# KiCad board coleco_original_main_only.kicad_pcb (continued)
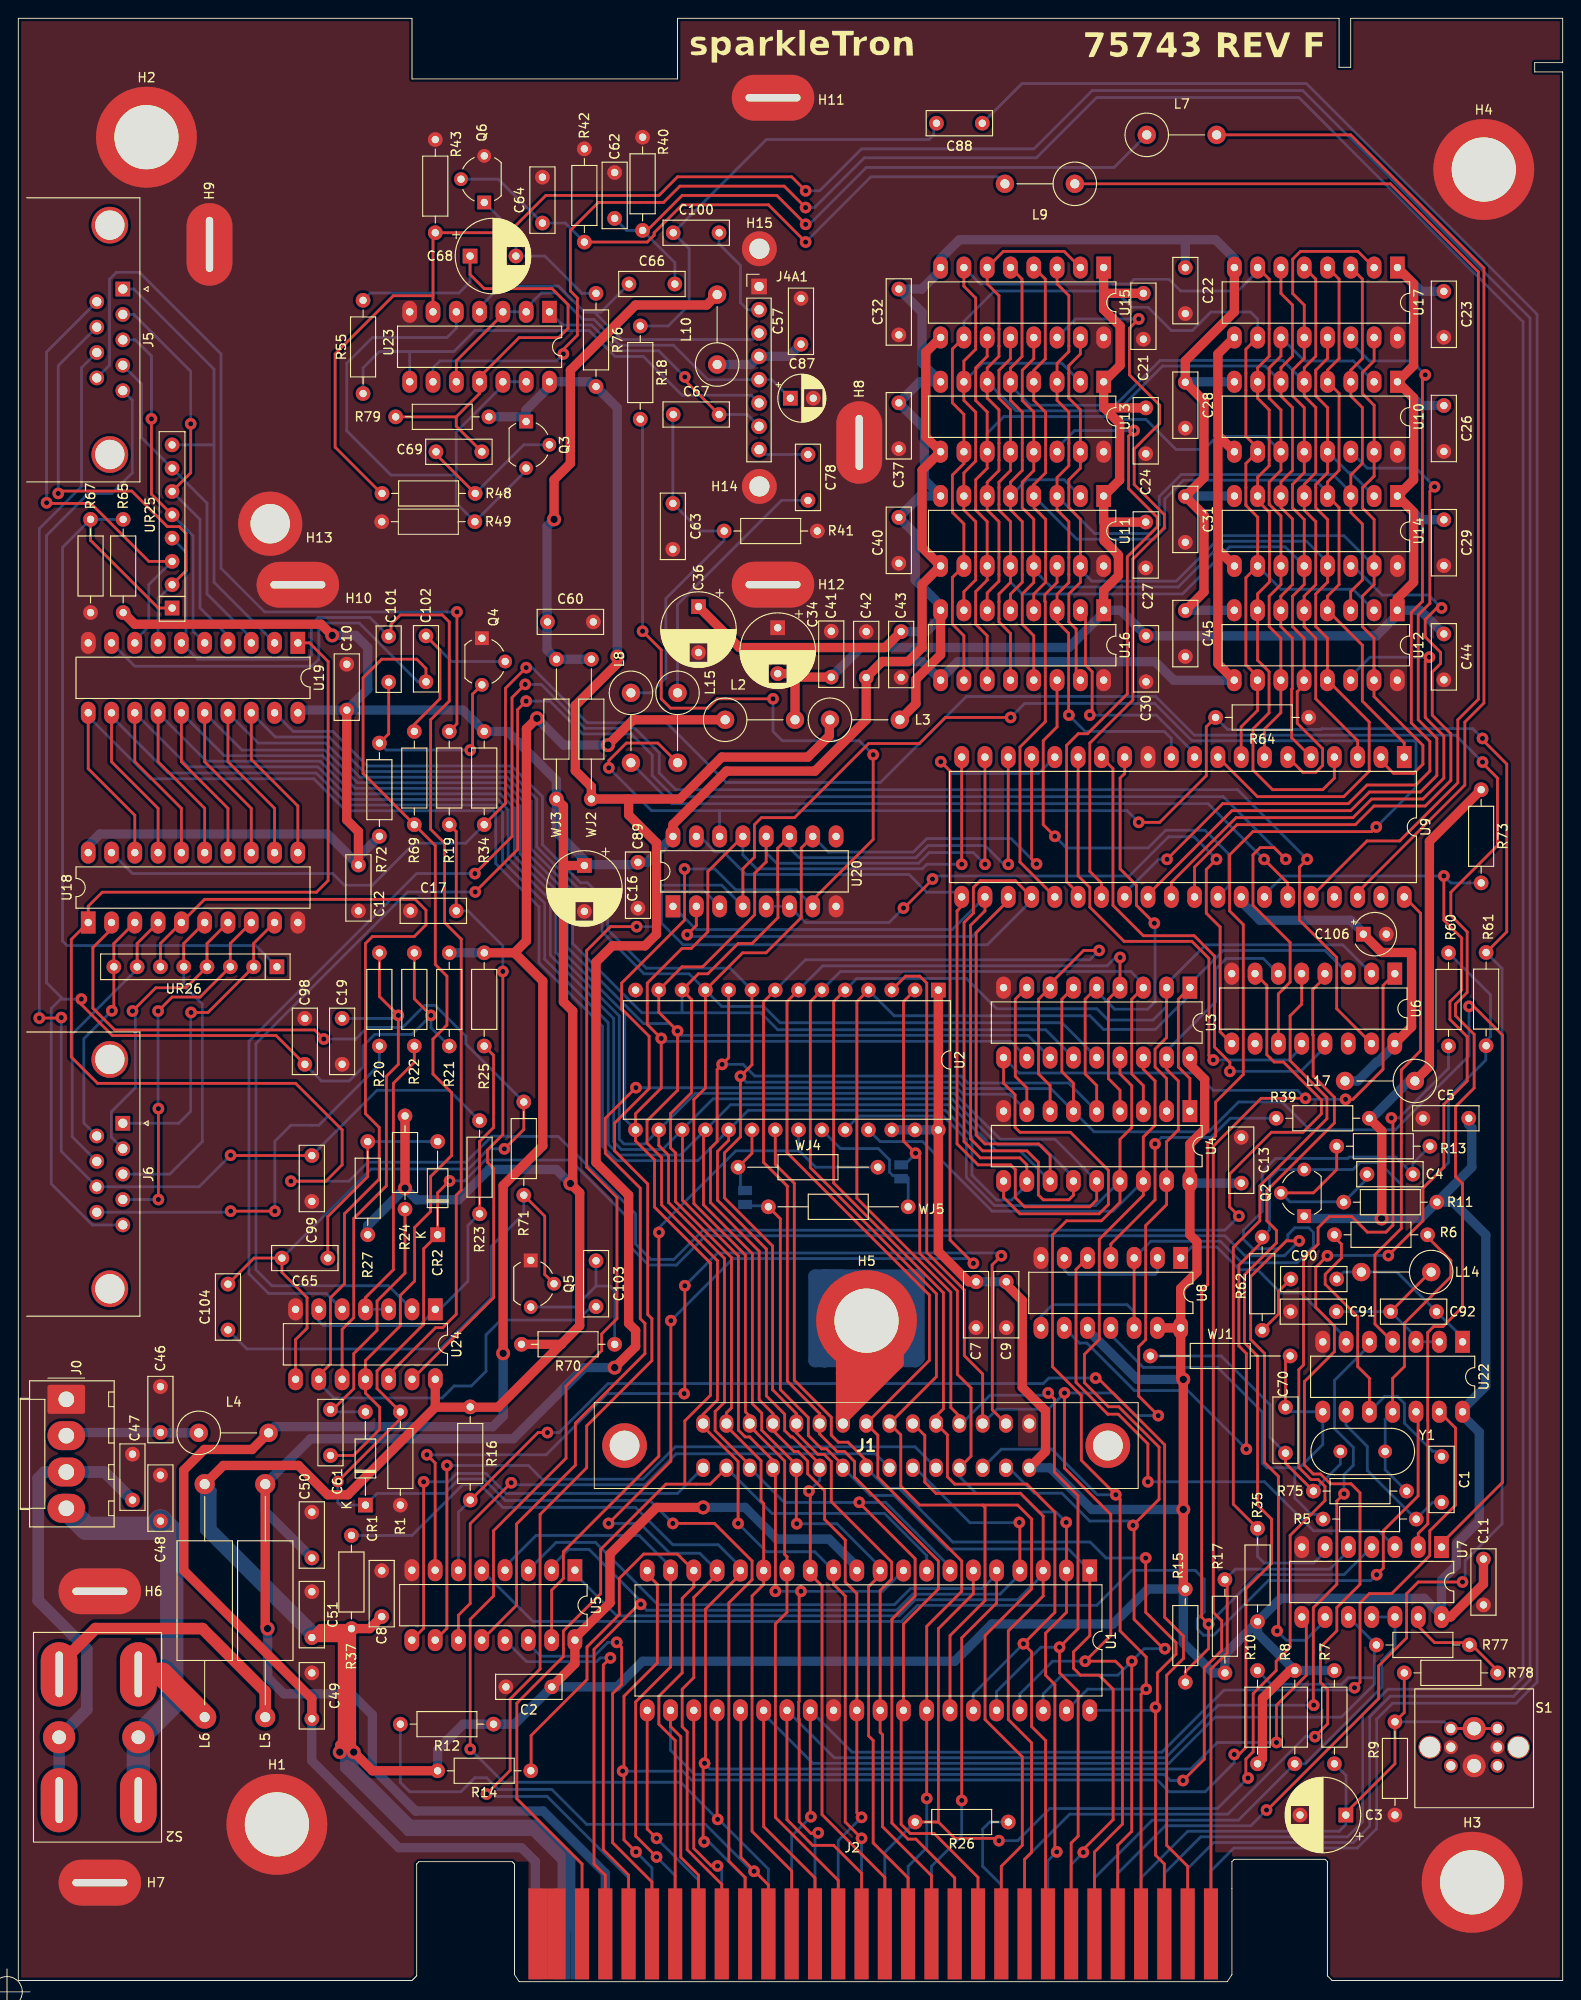
[diagram p0: board, top side]
## Routing (per net, layer and track width the routed paths; a pad name or vN(x,y) marks a point on that pad's centre or on a via; arc(x,y) is an arc through that point) (continued)
/cpu/A7: length 216.4
  Top w0.305: U2.3 96.76,109.6 98.3,109.6 99.06,108.84 99.06,79.49 103.16,75.39 103.16,68.23 105.16,66.23 105.16,60.83 ; v2(124.31,61.69) 122.17,63.83 122.17,69.21 122.94,69.98 122.94,82.42 125.21,84.7 U4.17 125.21,91.56 126.49,92.84 126.49,98.17 125.21,99.45 U3.17 ; v2(114.08,64.17) 114.08,55.97 119.13,50.93 119.13,37.72 v2(116.33,34.92) 119.63,34.92 120.4,34.16 120.4,17.17 117.35,14.12 J2.25
  Bottom w0.305: U1.37 109.22,31.36 112.78,34.92 v2(116.33,34.92) ; U3.17 125.21,101.46 130.56,106.81 130.56,110.36 131.72,111.53 135.74,111.53 137.4,109.87 ; v2(124.31,61.69) 121.89,61.69 119.41,64.17 v2(114.08,64.17) 112.3,62.39 106.71,62.39 105.16,60.83
/cpu/A8: length 173.8
  Top w0.305: U3.16 122.67,99.45 123.95,98.17 123.95,93.34 122.67,92.06 U4.16 122.67,85.71 117.87,80.92 117.87,69.99 116.26,68.38 116.26,65.28 118.88,62.66 119.99,62.66 124.39,58.26 124.39,52.58 v2(121.55,49.73) 121.67,49.61 121.67,39.5 124.87,36.29 v2(125.02,36.29) ; J2.26 119.89,14.86 121.41,16.38 v2(121.41,34.92)
  Bottom w0.305: U2.25 93.98,91.57 98.61,91.57 106.19,83.98 119.39,83.98 U4.16 ; v2(125.02,36.29) 122.78,36.29 v2(121.41,34.92) 119.89,33.4 113.79,33.4 111.75,31.36 U1.38 ; v2(121.55,49.73) 121.08,50.2 116.84,50.2 113.79,53.25 110.78,53.25 108.02,56.01 J1.28
/cpu/A9: length 171.6
  Top w0.305: U3.15 120.13,98.94 121.41,97.66 121.41,93.09 120.13,91.81 U4.15 120.13,84.95 118.11,82.93 114.3,82.93 112.78,81.41 112.78,67.02 115.91,63.88 115.91,56.83 v2(119.67,53.07) 120.14,52.6 120.14,38.23 122.99,35.38 v2(122.99,31.88) 122.43,31.32 J2.27
  Bottom w0.305: U1.39 116.61,31.88 v2(122.99,31.88) ; J1.26 107.19,58.04 112.69,58.04 117.66,53.07 v2(119.67,53.07) ; U2.24 91.68,94.36 100.84,94.36 103.38,91.82 103.38,87.66 106.45,84.59 117.46,84.59 U4.15
/cpu/A10: length 127.1
  Top w0.305: U2.21 82.54,89.09 84.62,87.02 84.62,65.55 88.65,61.52 88.65,59.56 89.41,58.8 90.47,58.8 92.46,56.81 J1.16 ; J2.28 124.97,12.83 124,13.79 v2(124,29.91) 124.21,30.11 124.21,33.65 126.24,35.69 126.24,36.96 122.94,40.26 v2(122.94,46.18)
  Bottom w0.305: J1.16 94.71,53.75 96.05,53.75 101.89,47.91 116.87,47.91 118.61,46.18 v2(122.94,46.18) ; U1.40 123.67,29.57 v2(124,29.91)
/cpu/A11: length 112
  Top w0.305: U1.1 116.84,37.71 115.06,35.94 115.06,34.16 115.82,33.4 117.86,33.4 119.38,31.88 119.38,17.65 116.13,14.4 v2(116.13,14.09) ; J1.14 89.92,56.29 88.13,58.07 87.6,58.07 86.14,59.52 86.14,61.48 83.09,64.53 83.09,83.15 WJ5.1
  Bottom w0.305: J2.37 114.81,12.77 v2(116.13,14.09) ; WJ5.1 81.68,84.57 78.74,84.57 ; J1.14 92.93,52.99 95.5,52.99 101.34,47.15 114.5,47.15 U1.1
/cpu/A12: length 119.1
  Top w0.305: J1.24 103.89,57.28 103.89,64.71 102.4,66.2 102.4,75.29 98.3,79.39 98.3,89.84 v2(97.84,90.3) 96.52,91.62 96.52,106.82 U2.2 ; v2(114.26,50.06) 114.3,50.03 U1.2 114.3,40.25 112.01,37.97 112.01,33.4 113.03,32.38 113.03,14.35 v2(113.23,14.15)
  Bottom w0.305: J2.38 112.27,13.18 v2(113.23,14.15) ; v2(114.26,50.06) 113.14,51.18 111.32,51.18 109.25,53.25 104.43,53.25 102.62,55.06 J1.24 ; 96.77,89.17 97.84,90.24 v2(97.84,90.3)
/cpu/A13: length 125.5
  Top w0.305: 97.54,60.83 98.84,59.52 98.84,54.44 100.08,53.21 109.29,53.21 111.75,50.75 U1.3 111.75,42.03 107.95,38.23 107.95,28.57 110.49,26.03 110.49,14.1 109.73,13.33 J2.22
  Bottom w0.305: U5.1 60.69,44.45 65.26,39.87 96.03,39.87 97.79,41.63 108.97,41.63 111.75,44.41 U1.3
/cpu/A14: length 115.2
  Top w0.305: U1.4 109.22,49.98 v2(109.15,50.05) ; J2.4 64.01,11.59 62.77,12.83 62.77,36.23 67.67,41.13 v2(67.87,41.13)
  Bottom w0.305: J1.20 97.79,56.01 103.77,50.03 109.12,50.03 v2(109.15,50.05) ; U5.2 58.15,45.25 60.02,47.12 62.23,47.12 67.87,41.48 v2(67.87,41.13) 68.52,40.48 95.78,40.48 97.54,42.24 107.04,42.24 109.22,44.41 U1.4
/cpu/A15: length 99.5
  Top w0.305: v2(102.87,19.75) 102.87,37.46 106.68,41.27 U1.5
  Bottom w0.305: v2(102.87,19.75) 102.87,15.88 99.57,12.57 J2.43 ; U5.3 58.64,47.88 62.94,47.88 69.73,41.09 95.53,41.09 97.29,42.85 105.11,42.85 106.68,44.41 U1.5
/cpu/D0: length 302.6
  Top w0.305: U9.17 110.49,122.37 v2(111.03,121.83) ; U19.18 25.4,133.22 30.48,128.14 U18.11 ; J2.14 89.41,11.05 82.55,17.91 82.55,38.99 83.81,40.25 U1.14 83.81,46.32 83.57,46.56 83.57,56.74 80.46,59.85 80.46,59.88 79.76,60.58 79.76,61.64 79.28,62.11 79.28,79.19 73.66,84.81 73.66,96.14 74.92,97.4 U2.11 78.98,112.14 81.53,112.14 85.37,115.98 85.37,123.57 U20.10
  Bottom w0.305: v2(111.03,121.83) 108.27,124.59 99.06,124.59 97.6,123.12 88.33,123.12 U20.10 ; U19.18 28.04,135.66 33.88,135.66 37.65,131.9 53.55,131.9 56.54,128.91 56.54,123.69 61.06,119.17 61.81,119.17 63.65,117.32 63.65,114.43 68.23,109.85 73.15,109.85 U2.11 76.7,106.3 81.28,106.3 83.06,104.52 113.8,104.52 U3.14
/cpu/D1: length 307
  Top w0.305: v2(107.95,121.79) 107.94,121.8 U9.18 ; U20.11 82.8,123.54 82.8,118.49 82.83,118.46 82.83,115.98 80.01,113.16 78.49,113.16 75.19,109.86 74.15,109.86 U2.12 73.41,107.06 73.41,96.9 71.12,94.61 71.12,90.87 71.66,90.33 71.66,85.03 77.76,78.93 77.76,62.55 77.22,62 77.22,60.55 80.99,56.78 80.99,52.41 81.28,52.12 U1.15 81.28,43.31 80.01,42.04 80.01,16.38 84.33,12.06 J2.12 ; U18.12 27.94,127.89 22.86,132.97 U19.17
  Bottom w0.305: U19.17 26.16,135 33.53,135 37.24,131.29 52.83,131.29 53.3,131.29 55.93,128.66 55.93,123.44 60.45,118.91 60.45,113.15 68,105.6 72.46,105.6 ; 72.46,105.6 80.96,105.6 82.8,103.76 112.02,103.76 U3.13 ; 72.46,105.6 72.38,105.68 U2.12 ; v2(107.95,121.79) 107.44,121.79 105.41,123.82 99.19,123.82 97.88,122.51 85.13,122.51 84.09,123.56 U20.11
/cpu/D2: length 312.2
  Top w0.305: v2(91.95,15.62) 90.17,17.4 90.17,42.03 88.9,43.31 U1.12 ; U19.16 20.32,132.97 25.4,127.89 U18.13 ; U20.12 81.55,122.06 80.29,120.8 80.29,116.29 74.62,110.62 72.38,110.62 U2.13 69.84,105.66 v2(71.88,103.62) 71.88,97.15 68.56,93.83 68.56,91.4 70.14,89.82 70.14,84.67 76.23,78.58 76.23,63.41 74.68,61.85 74.68,60.83 ; v2(105.41,121.79) 105.41,121.8 U9.19 ; v2(78.49,49.94) 78.49,56.69 74.68,60.5
  Bottom w0.305: v2(78.49,49.94) 81.57,46.86 86.84,46.86 U1.12 ; U20.12 81.55,123.05 82.69,121.9 98.16,121.9 99.31,123.06 104.14,123.06 v2(105.41,121.79) ; J2.46 v2(91.95,15.62) ; U19.16 24.38,134.24 33.43,134.24 36.99,130.68 53.04,130.68 55.32,128.41 55.32,123.18 59.84,118.66 59.84,112.75 68.16,104.44 71.07,104.44 v2(71.88,103.62) 72.35,103.15 110.09,103.15 U3.12
/cpu/D3: length 353.4
  Top w0.305: J2.3 61.47,12.83 54.36,19.94 54.36,30.35 59.44,35.43 59.44,36.3 59.43,36.31 59.43,38.22 63.5,42.29 63.5,47.12 70.61,54.23 75.44,54.23 J1.4 ; v2(102.87,121.79) 102.87,121.8 U9.20 ; U19.15 17.78,132.97 22.86,127.89 U18.14 ; U20.13 75.19,121 75.19,114.43 73.38,112.62 72.37,112.62 68.58,108.84 68.58,104.33 v2(70.1,102.81) 70.1,97.41 67.3,94.6 U2.15 67.3,91.64 69.38,89.57 69.38,84.42 75.47,78.32 75.47,63.91 72.68,61.12 72.68,54.26 72.68,54.26
  Bottom w0.305: v2(70.1,102.81) 70.43,102.49 108.21,102.49 U3.11 ; U2.15 66.14,94 66.14,105.51 59.23,112.42 59.23,118.41 54.71,122.93 54.71,128.15 52.79,130.07 36.73,130.07 33.18,133.63 22.45,133.63 U19.15 ; U20.13 79.01,122.79 80.51,121.3 98.56,121.3 99.06,121.79 v2(102.87,121.79) ; J1.4 82.19,51.03 94.45,51.03 99.06,46.43 U1.8
/cpu/D4: length 363.4
  Top w0.305: U19.14 15.24,132.97 20.32,127.89 U18.15 ; v2(91.69,52.25) 91.69,52.2 97.79,46.1 97.79,42.04 95.26,39.5 95.26,17.29 97.02,15.53 97.88,15.53 102.11,11.3 J2.19 ; U9.21 102.87,117.22 102.36,116.71 102.36,91.31 104.65,89.03 108.2,89.03 108.71,88.52 108.71,85.47 109.73,84.45 116.84,84.45 117.59,85.21 U4.14 ; U2.16 69.84,91.14 70.9,90.08 70.9,84.93 77,78.83 77,63.15 75.98,62.14 75.98,60.06 79.76,56.29 J1.6
  Bottom w0.305: J1.6 83.53,52.23 91.68,52.23 v2(91.69,52.25) 91.71,52.23 94.58,52.23 101.59,45.21 101.59,44.81 ; U19.14 20.52,133.02 32.92,133.02 36.48,129.46 52.54,129.46 54.1,127.9 54.1,122.68 58.62,118.16 58.62,112.16 65.53,105.26 65.53,91.82 66.04,91.31 68.31,91.31 U2.16 73.83,96.83 102.07,96.83 107.08,91.82 113.03,91.82 U4.14 ; U20.15 74.33,124.83 75.21,123.94 75.21,123.91 75.95,123.17 76.86,123.17 79.34,120.69 97.12,120.69 99.06,118.74 102.36,118.74 U9.21
/cpu/D5: length 349.6
  Top w0.305: U2.17 72.42,92.8 72.42,85.18 78.52,79.09 78.52,77.88 ; U19.13 12.7,132.97 17.78,127.89 U18.16 ; U4.13 115.05,85.71 114.55,85.22 111.76,85.22 111.23,85.75 111.23,89.3 109.98,90.55 105.16,90.55 103.84,91.87 103.84,115.14 105.41,116.71 U9.22 ; v2(82.55,42.54) 82.55,55.75 J1.8 82.3,56.81 79.73,59.38 79.26,59.38 78.52,60.11 78.52,77.83 ; 86.69,16.23 86.6,16.14 86.45,16.14 85.15,17.44 85.15,28.6 85.1,28.65 85.1,30.49 85.15,30.54 85.15,42.35 v2(85.34,42.54)
  Bottom w0.305: 96.52,44.81 94.25,42.54 v2(85.34,42.54) v2(82.55,42.54) ; v2(87.22,16.23) 86.87,15.88 J2.48 ; U9.22 101.85,114.68 73.91,114.68 U20.1 ; U4.13 115.05,87.66 111.52,91.19 106.84,91.19 101.82,96.22 75.76,96.22 U2.17 70.24,90.7 65.76,90.7 64.92,91.54 64.92,104.98 58.01,111.89 58.01,117.88 53.42,122.48 53.42,127.73 52.29,128.85 36.23,128.85 32.67,132.41 18.59,132.41 U19.13
/cpu/D6: length 340.5
  Top w0.305: U1.10 93.98,44.32 92.72,43.06 92.72,26.79 93.22,26.29 93.22,15.11 97.03,11.3 J2.17 ; U20.2 73.93,115.11 v2(72.94,114.11) ; U2.18 74.71,92.63 74.71,84.67 80.04,79.34 80.04,62.99 81.07,61.96 81.07,60.11 84.84,56.34 J1.10 84.84,49.96 v2(84.89,49.91) ; U9.23 107.94,117.84 104.45,114.34 104.45,92.28 105.41,91.31 111.25,91.31 112.51,90.05 U4.12 ; U18.17 15.24,127.89 10.16,132.97 U19.12
  Bottom w0.305: v2(84.89,49.91) 89.28,49.91 93.98,45.21 U1.10 ; v2(72.94,114.11) 73.13,113.92 104.03,113.92 107.94,117.84 U9.23 ; U19.12 10.16,137.9 16.33,131.73 32.48,131.73 35.97,128.24 52.04,128.24 52.81,127.47 52.81,122.1 52.85,122.1 57.39,117.55 57.39,111.46 64.31,104.54 64.31,91.29 65.51,90.09 72.17,90.09 U2.18 77.66,95.58 101.6,95.58 106.59,90.58 109.19,90.58 U4.12
/cpu/D7: length 360.6
  Top w0.305: J1.12 87.38,56.42 84.42,59.38 84.26,59.38 83.57,60.07 83.57,61.85 82.91,62.51 81.57,63.85 81.57,79.85 76.23,85.18 76.23,90.48 77.46,91.71 U2.19 ; U19.11 7.62,132.21 12.7,127.13 U18.18 ; U9.24 108.71,120.01 104.9,120.01 104.14,119.25 104.14,116.46 103.12,115.44 103.12,91.57 104.9,89.79 109.22,89.79 109.97,89.04 U4.11 ; v2(86.2,53.47) 86.36,53.31 U1.13 86.36,44.41 87.64,43.13 87.64,18.21 94.49,11.36 J2.16
  Bottom w0.305: U4.11 109.97,86.86 108.31,85.2 106.7,85.2 103.99,87.91 103.99,92.07 101.09,94.97 79.59,94.97 U2.19 74.1,89.48 65.26,89.48 63.7,91.04 63.7,104.13 56.78,111.06 56.78,117.15 52.06,121.87 52.06,127.36 51.8,127.62 35.71,127.62 32.22,131.11 14.41,131.11 7.62,137.9 U19.11 ; J1.12 87.38,54.64 v2(86.2,53.47) ; U20.3 74.81,118.86 70.13,118.86 70.13,115.38 72.48,113.02 105.67,113.02 110.49,117.84 U9.24
/cpu/~{BUSAK}: length 26
  Top w0.305: U1.23 73.66,14.52 75.56,12.62 v2(76.24,12.62)
  Bottom w0.305: J2.52 76.71,12.15 v2(76.24,12.62)
/cpu/~{BUSRQ}: length 76.1
  Top w0.305: 80.45,11.87 81.79,10.54 J2.11 ; 80.45,11.87 78.79,13.54 78.79,29.52 78.73,29.57 ; 80.45,11.87 80.3,12.03 v2(80.23,12.03)
  Bottom w0.305: v2(80.23,12.03) 80.05,12.03 74.93,17.14 61.98,17.14 58.17,20.95 52.32,20.95 51.05,22.22 49.78,22.22 48.26,20.7 42.67,20.7 41.66,21.72 R12.2
/cpu/~{HALT}: length 76.8
  Top w0.305: J2.7 71.63,26.29 69.85,28.07 69.85,31.11 72.39,33.65 72.39,41.78 73.66,43.05 U1.18 71.86,46.61 68.2,46.61 65.53,43.95 65.53,40 62.01,36.48 62.01,32.93 55.91,26.83 55.91,23.02 R14.1
/cpu/~{IORQ}: length 207.6
  Top w0.305: 68.58,44.81 68.58,44.41 69.68,43.31 69.68,34.75 66.04,31.11 66.04,23.09 v2(65.9,22.95) 66.04,22.8 66.04,15.45 v2(67.35,14.14) ; U6.4 142.48,109.47 141.15,108.14 141.15,103.22 141.2,103.17 141.2,98.71 143.51,96.39 143.51,93.6 136.14,86.23 136.14,82.93 137.19,81.88 137.19,80.52 133.71,77.04 133.71,69.62 135.13,68.2 135.13,51.94 136.65,50.42 136.65,45.59 133.86,42.8 133.86,25.53 133.1,24.76 v2(132.59,24.76)
  Bottom w0.305: v2(67.35,14.14) 69.09,12.41 J2.55 ; v2(65.9,22.95) 72.43,22.95 73.41,21.97 124.21,21.97 125.48,20.7 129.42,20.7 132.59,23.87 v2(132.59,24.76)
/cpu/~{MREQ}: length 64.6
  Top w0.305: v2(69.6,13.59) 67.31,15.88 67.31,30.48 71.12,34.29 U1.19
  Bottom w0.305: v2(69.6,13.59) 71.63,11.56 J2.54 ; U1.19 71.12,45.21 67.69,48.64 56.47,48.64 53.07,45.25 U5.4
/cpu/~{NMI}: length 187.7
  Top w0.305: v2(64.36,49.94) 71.15,56.74 v2(71.15,72.04) ; v2(104.14,78.3) 101.6,80.84 101.6,131.95 v2(100.58,132.97) ; U1.17 76.2,44.41 73.66,41.88 73.66,33.15 72.39,31.88 72.39,27.79 72.93,27.24 72.93,14.38 76.71,10.61 J2.9
  Bottom w0.305: v2(100.58,132.97) 101.85,131.7 111.25,131.7 U9.16 ; v2(64.36,49.94) 67.78,49.94 71.03,46.7 74.31,46.7 U1.17 ; v2(104.14,78.3) 103.62,78.82 77.93,78.82 v2(71.15,72.04)
/cpu/~{RD}: length 26.7
  Top w0.305: v2(69.6,15.62) 68.58,16.64 68.58,29.57
  Bottom w0.305: v2(69.6,15.62) 74.17,11.05 J2.53
/cpu/~{WR}: length 264.6
  Top w0.305: v2(127,21.92) 129.32,24.24 129.32,34.2 131.22,36.09 131.22,39.34 130.3,40.26 130.3,91.06 135.53,96.28 v2(140.35,96.28) ; U3.10 107.43,97.93 108.69,96.67 108.69,93.11 109.22,92.58 114.72,92.58 118.87,88.43 118.87,84.71 117.86,83.69 109.22,83.69 107.43,85.48 U4.10 ; U1.22 71.12,27.82 72.24,26.7 72.24,13.56 74.17,11.62 J2.8 ; U6.1 148.82,108.59 148.82,99.46 145.52,96.17 v2(144.73,96.17)
  Bottom w0.305: v2(127,21.92) 125.63,21.92 124.97,22.58 73.76,22.58 71.12,25.22 U1.22 ; v2(144.73,96.17) 140.46,96.17 v2(140.35,96.28) 139.48,97.15 130.3,97.15 128.42,99.03 109.12,99.03 U3.10
/decoder_logic/AUX_DECODE_1: length 148.3
  Top w0.305: v2(117.47,65.79) 117.73,65.79 125,58.51 125,39.72 127.05,37.67 127.05,35.23 125.22,33.4 125.22,14.86 127.51,12.57 J2.29 ; v2(57.69,59.85) 56.68,59.85 49.28,52.45
  Bottom w0.305: U5.6 47.99,51.17 49.28,52.45 ; v2(57.69,59.85) 58.96,59.85 64.3,65.18 111.77,65.18 112.38,65.79 v2(117.47,65.79)
/decoder_logic/~{CS_h2000}: length 45.4
  Top w0.305: v2(65.25,36.98) 65.79,36.45 65.79,32.38 64.8,31.4 64.8,15.15 69.09,10.86 J2.6
  Bottom w0.305: U5.14 55.61,36.83 56.95,35.48 62.79,35.48 64.29,36.98 v2(65.25,36.98)
/decoder_logic/~{CS_h4000}: length 44.2
  Top w0.305: J2.5 66.55,11.62 63.79,14.38 63.79,34.52 v2(64.56,35.29)
  Bottom w0.305: v2(64.56,35.29) 63.46,35.29 63.04,34.87 55.42,34.87 U5.13
/decoder_logic/~{CS_h8000}: length 62.9
  Top w0.305: U5.11 47.99,39.94 49.27,41.22 49.27,49.91 v2(53.74,54.38)
  Bottom w0.305: v2(53.74,54.38) 53.96,54.16 68.36,54.16 71.73,57.53 93.47,57.53 J1.18
/decoder_logic/~{CS_hA000}: length 75.9
  Top w0.305: v2(46.74,56.26) 46.73,56.26 46.73,38.51 U5.10
  Bottom w0.305: v2(46.74,56.26) 55.63,56.26 57.12,54.77 68.11,54.77 71.63,58.29 97.79,58.29 J1.22
/decoder_logic/~{CS_hC000}: length 50.7
  Top w0.305: v2(44.2,54.48) 44.19,54.48 44.19,38.51 U5.9
  Bottom w0.305: v2(44.2,54.48) 46.89,54.48 47.81,55.4 51,55.4 53.19,53.21 71.88,53.21 J1.2
/decoder_logic/~{CS_hE000}: length 111
  Top w0.305: v2(44.55,57.43) 45.45,56.53 U5.7 ; v2(72.68,75.85) 72.68,64.17 v2(72.6,64.09) ; 107.7,60.83 106.21,62.32 106.21,70.75 106.18,70.77 106.18,78.12 v2(107.19,79.12)
  Bottom w0.305: v2(72.68,75.85) 76.25,79.43 106.88,79.43 v2(107.19,79.12) ; v2(44.55,57.43) 57.56,57.43 64.22,64.09 v2(72.6,64.09)
/decoder_logic/~{CSR}: length 54.1
  Top w0.305: v2(130.3,100.46) 129.83,100.93 129.83,111.53 127.97,113.4 120.57,113.4 116.84,117.13 116.84,119.25 115.56,120.53 U9.15
  Bottom w0.305: v2(130.3,100.46) 138.55,100.46 139.94,101.85 139.94,102.25
/decoder_logic/~{CSW}: length 55.2
  Top w0.305: 118.11,133.48 119.36,132.22 119.36,117.32 122.67,114 128.22,114 130.44,111.79 130.44,101.87 132.11,100.19 v2(132.11,99.22)
  Bottom w0.305: U6.13 142.48,101.85 139.85,99.22 v2(132.11,99.22)
/decoder_logic/~{RAM_CS}: length 129
  Top w0.305: U4.8 109.97,97.42 108.71,98.68 108.71,107.09 U3.8 ; v2(67.34,97.44) 64.01,94.11 64.01,90.3 67.82,86.49 67.82,72.26 68.33,71.75 68.33,68.45 60.74,60.87 60.74,56.29 54.33,49.88 54.33,41.02 U5.12
  Bottom w0.305: v2(67.34,97.44) 67.35,97.44 102.32,97.44 103.03,96.73 108.12,96.73 U4.8
/decoder_logic/~{ROM_ENABLE}: length 82.4
  Top w0.305: v2(69.85,81.66) 69.85,57.28 59.43,46.86 59.43,43.95 58.15,42.67 U5.15
  Bottom w0.305: v2(69.85,81.66) 69.85,82.17 78.23,90.55 85.08,90.55 U2.22 85.08,90.63 86.94,88.77 WJ4.2
/decoder_logic/~{SND_ENABLE}: length 76.5
  Top w0.305: U6.9 131.05,103.52 131.05,114.95 129.54,116.46 129.54,121.22 v2(130.66,122.33) ; v2(99.68,120.19) 99.68,120.13 96.57,117.02 v2(96.52,117.02)
  Bottom w0.305: v2(96.52,117.02) 94.94,115.44 85.85,115.44 U20.6 U20.5 ; v2(99.68,120.19) 100.02,120.52 121.16,120.52 125.43,124.79 128.2,124.79 v2(130.66,122.33)
/io_ports/EXT_SOUND: length 279.7
  Bottom w0.305: J2.31 130.05,12.06 132.54,14.56 146.01,14.56 148.12,16.67 148.12,28.61 149.86,30.35 163.32,30.35 165.61,32.64 165.61,181.74 140.46,206.88 109.43,206.88 C88.1
/io_ports/EXT_VIDEO: length 361.9
  Top w0.305: v2(85.85,193.37) 83.51,195.71 72.14,195.71 70.36,193.93 63.25,193.93 60.2,190.88 60.2,184.28 60.96,183.51 60.96,179.45 59.44,177.93 v2(59.44,177.42)
  Bottom w0.305: U23.9 45.22,175.9 45.97,176.66 58.67,176.66 v2(59.44,177.42) ; v2(85.85,193.37) 86.82,193.37 92.25,198.81 111.03,198.81 117.59,205.36 139.64,205.36 164.08,180.92 164.08,33.15 162.81,31.88 149.35,31.88 146.59,29.12 146.59,17.43 144.94,15.78 128.94,15.78 124.97,11.81 J2.33
/io_ports/EXT_VIDEO_SEL: length 385.1
  Top w0.305: 45.22,183.76 40.89,183.76 34.54,177.42 34.54,167.26 39.62,162.18 ; 45.22,183.76 U23.6 ; 45.22,183.76 45.22,190.38 R43.2 53.45,190.63 57.52,194.69 69.85,194.69 71.88,196.72 84.33,196.72 v2(85.85,195.2)
  Bottom w0.305: J2.32 127.51,12.32 130.36,15.17 145.57,15.17 147.35,16.95 147.35,28.86 149.61,31.11 163.07,31.11 164.85,32.89 164.85,181.34 140.07,206.12 117.09,206.12 110.74,199.77 91.95,199.77 87.38,195.2 v2(85.85,195.2)
/io_ports/SND_OUT: length 235.9
  Top w0.305: v2(68.07,147.19) 70.1,145.16 70.1,139.83 71.12,138.81 75.18,138.81 76.2,139.83 v2(82.3,139.83) ; U20.7 86.63,117.91 93.22,124.5 v2(93.22,133.73) ; v2(72.64,121.28) 72.65,121.28 72.65,115.7 65.79,108.84 65.79,106.04 68.78,103.05 68.78,97.34 65.02,93.58 65.02,90.55 68.63,86.94 68.63,72.72 69.09,72.26 69.09,67.69 61.98,60.58 61.98,56.01 56.89,50.92 56.89,34.08 53.63,30.82 53.63,23.02 v2(51.05,20.45)
  Bottom w0.305: v2(68.07,147.19) 68.07,170.05 R18.2 ; v2(72.64,121.28) 75.95,121.28 78.23,119 84.84,119 U20.7 ; v2(82.3,139.83) 82.3,136.27 83.31,135.25 91.69,135.25 v2(93.22,133.73) ; J2.56 66.55,11.3 57.66,20.19 52.07,20.19 51.82,20.45 v2(51.05,20.45)
/io_ports/~{VDP_RESET}: length 186.2
  Top w0.305: v2(149.4,79.15) 149.4,79.16 153.16,82.93 153.16,86.49 155.45,88.77 155.45,95.63 157.99,98.17 157.99,103 156.11,104.88 156.11,106.81 157.38,108.08 157.38,113.77 155.45,115.7 v2(155.45,120.52) ; v2(142.75,79.12) 141.48,77.85 141.48,73.49 143.51,71.46 143.51,68.67 140.24,65.4 140.24,56.29 141.2,55.33 142,55.33 143.07,54.26 145.32,54.26 146.3,53.28 146.3,43.31 143.78,40.78 143.78,38.24 141.99,36.45 141.99,32.62 142.78,31.83 142.78,28.1 v2(141.38,26.7)
  Bottom w0.305: U9.34 135.88,118.49 137.92,120.52 v2(155.45,120.52) 156.21,119.76 R73.2 ; v2(141.38,26.7) 140.34,26.7 131.9,18.26 114.66,18.26 109.73,13.33 J2.39 ; v2(149.4,79.15) 149.39,79.15 142.78,79.15 v2(142.75,79.12)
/psu/+5NF: length 9.2
  Top w2.54: L6.1 15.65,33.5 S2.3
/psu/+12NF: length 29.8
  Top w1.27: L5.1 26.92,31.62 20.07,38.48 8.41,38.48 4.45,34.51
/rf_mod/B-Y: length 78.6
  Top w0.305: U9.35 138.43,119.75 v2(135.85,122.33)
  Bottom w0.305: L8.2 71.26,128.4 129.74,128.4 135.81,122.33 v2(135.85,122.33)
/rf_mod/R-Y: length 109.4
  Top w0.305: L7.2 145.29,201.29 159.82,186.77 159.82,139.37 157.73,137.29 157.73,130.43 146.05,118.74 146.05,118.24
/rf_mod/sub_rf_mod/2: length 10.9
  Bottom w0.305: C100.2 76.41,189.4 78.74,187.07 78.74,183.01 79.52,182.23 J4A1.2
/rf_mod/sub_rf_mod/3: length 40.3
  Bottom w0.305: C66.1 63.54,181.99 62.23,181.99 ; 62.23,181.99 62.81,181.99 65.82,178.98 80.06,178.98 J4A1.3 ; 62.23,181.99 61.72,181.99 58.89,184.82 52.61,184.82 50.3,182.5 50.3,182.01
/rf_mod/sub_rf_mod/5: length 46.9
  Top w0.305: U23.10 47.76,176.66 52.84,181.74 U23.3
  Bottom w0.305: U23.3 55.38,182.01 55.38,182.41 57.03,184.06 58.68,184.06 61.56,181.18 62.76,181.18 65.57,178.37 71.44,178.37 75.2,174.61 J4A1.5 82.17,174.61 C87.1
/rf_mod/sub_rf_mod/6: length 54.2
  Bottom w0.305: 42.67,177.67 39.37,177.67 37.59,175.89 R55.1 ; 42.67,177.67 47.5,177.67 49.78,179.96 62.25,179.96 65.06,177.15 68.16,177.15 72.39,172.92 79.92,172.92 J4A1.6 ; 42.67,177.67 42.67,176.66 42.68,176.65 U23.8
/rf_mod/sub_rf_mod/7: length 28.2
  Top w0.305: C67.2 72.68,174.55 v2(72.68,174.91)
  Bottom w0.305: C67.2 79.49,170.81 J4A1.7 ; U23.1 59.35,180.57 62.51,180.57 65.32,177.76 69.83,177.76 v2(72.68,174.91)
/rf_mod/sub_rf_mod/8: length 5.6
  Bottom w0.305: C78.1 81.31,166.46 J4A1.8
/rf_mod/Y: length 125.7
  Top w0.305: U9.36 147.06,124.33 150.62,124.33 156.97,130.68 156.97,137.54 159.21,139.78 159.21,186.36 149.61,195.96 L9.1
/video/AD0: length 25.6
  Top w0.305: U16.2 116.37,148.92 116.37,143.51 117.09,142.78 117.09,138.3 v2(116.84,138.05)
  Bottom w0.305: v2(116.84,138.05) 124.09,138.05 128.27,133.88 128.27,133.48
/video/AD1: length 156
  Top w0.305: U17.13 142.76,176.93 141.48,175.64 141.48,175.3 141.48,175.3 141.48,173.46 141.48,173.46 141.48,172.85 142.76,171.56 U10.13 142.76,164.48 141.48,163.19 141.48,162.85 141.48,162.85 141.48,161.01 141.48,161.01 141.48,160.65 142.76,159.37 U14.13 142.76,152.54 141.48,151.26 141.48,147.7 142.75,146.43 U12.13 147.3,137.3 147.3,131.94 144.53,129.16 135.12,129.16 U9.9 ; U16.13 110.73,146.7 109.47,147.96 109.47,151.25 110.73,152.51 U11.13 110.73,159.4 109.47,160.66 109.47,163.45 110.73,164.7 U13.13 110.73,171.08 109.47,172.34 109.47,175.64 110.73,176.9 U15.13